# Altium PCB PMR_for_R124_v2.PcbDoc (part 3 of 3) (continued)
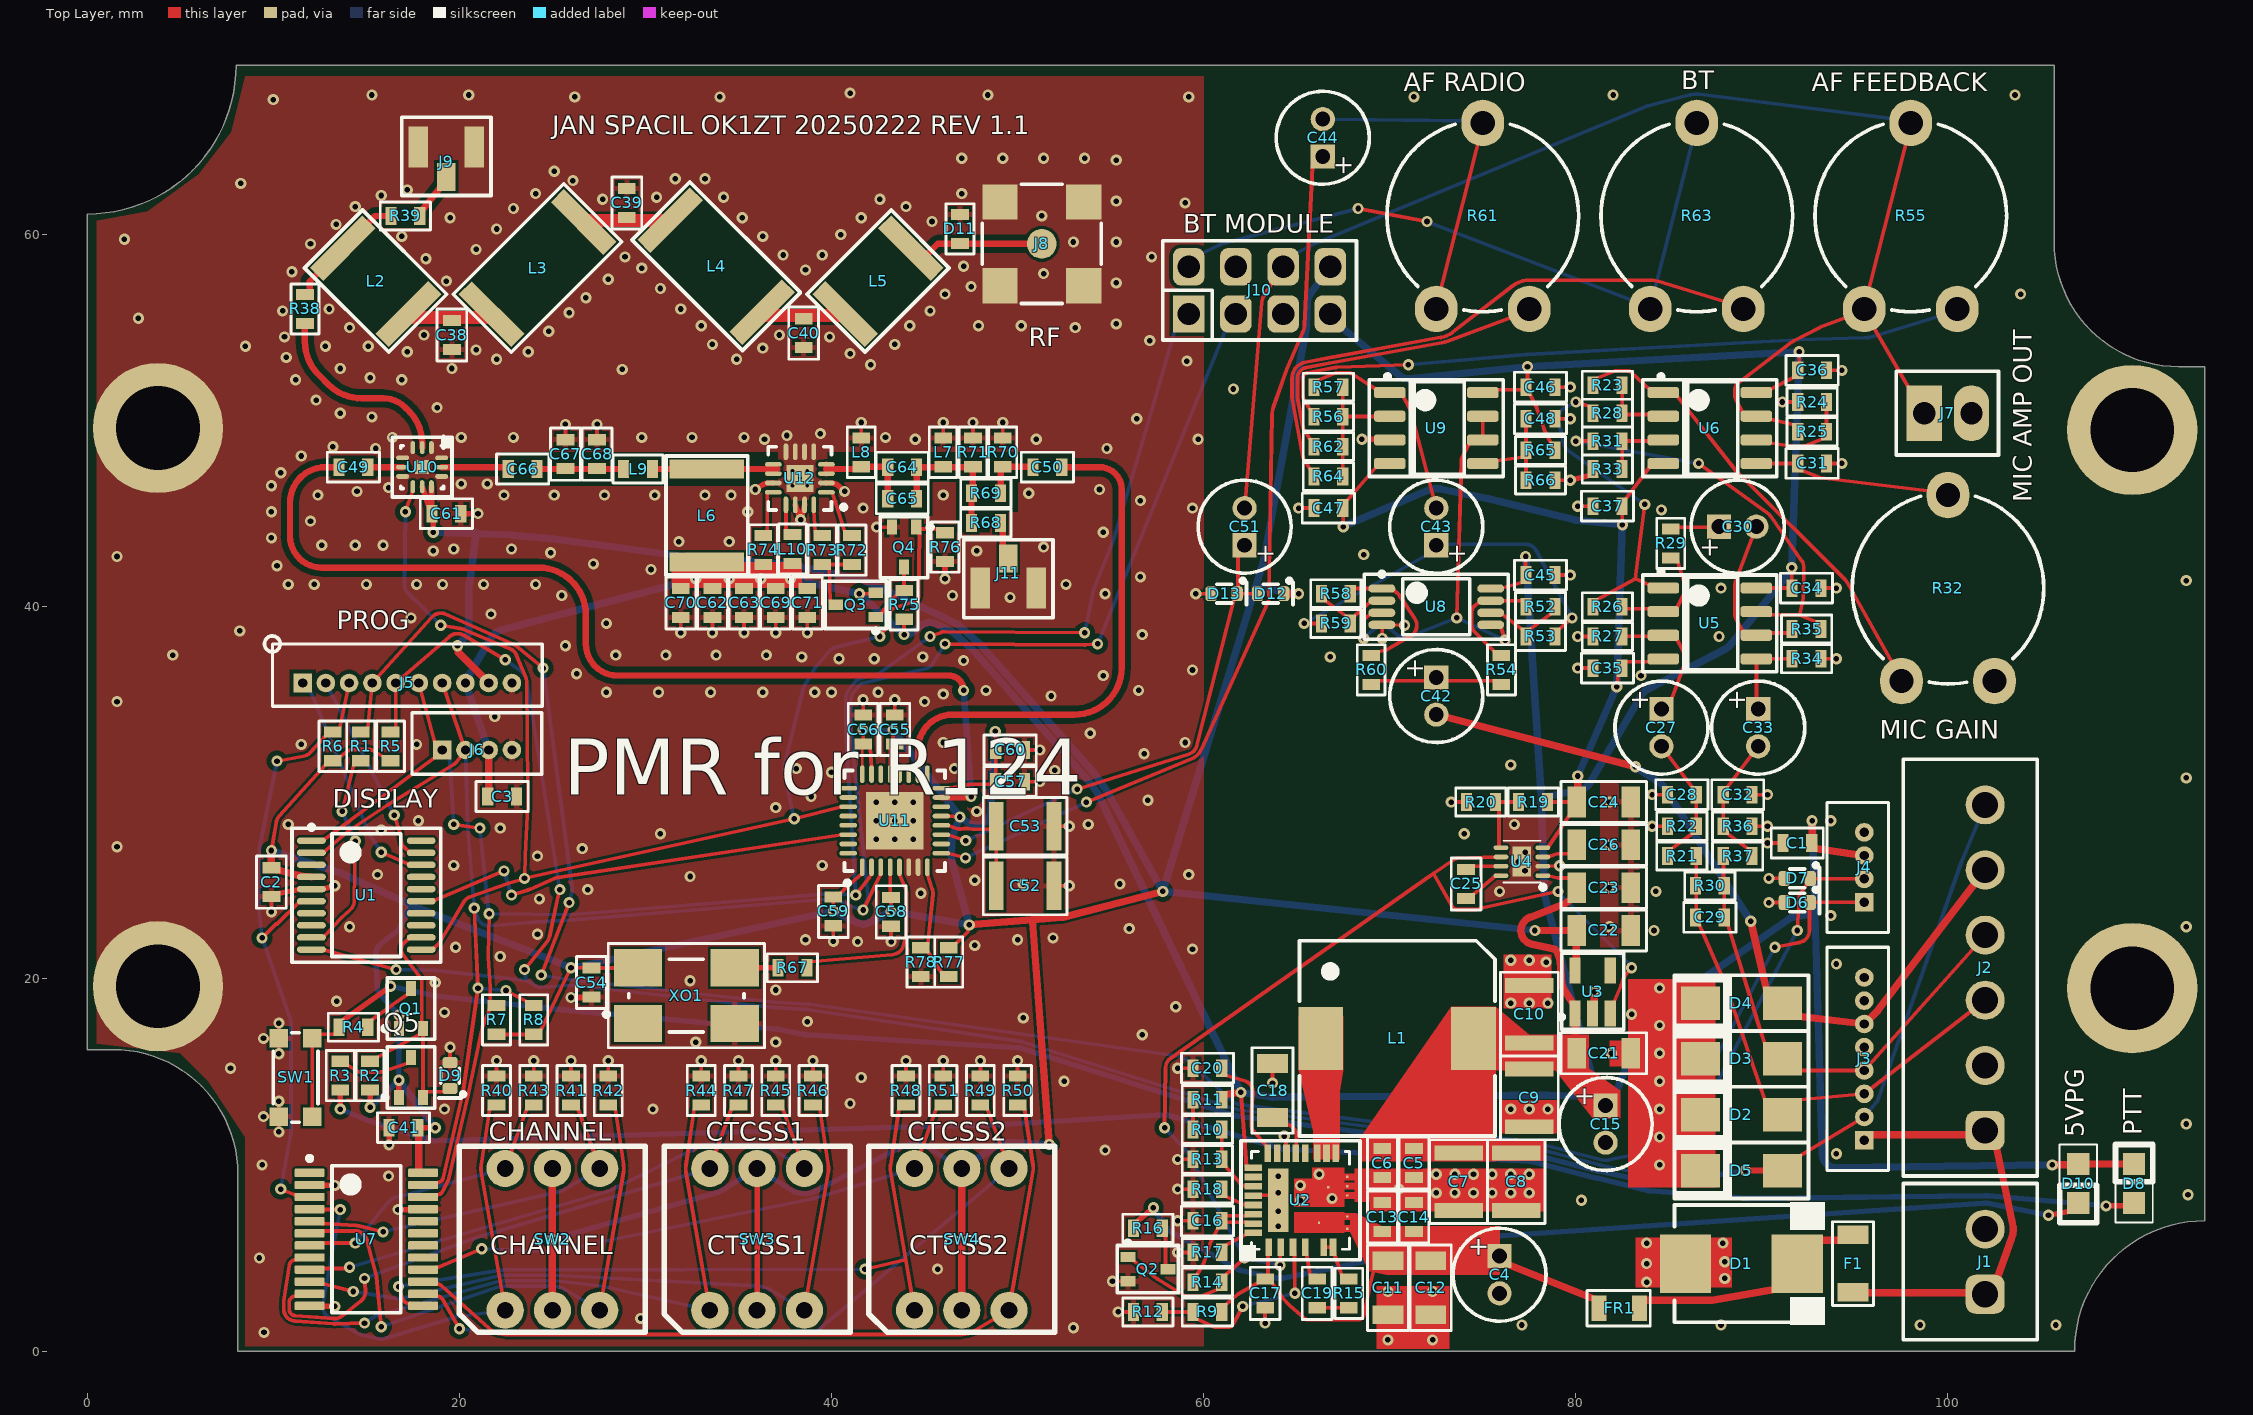
[diagram p0: Top Layer view]
## Nets (pads, with @x,y where several pads share a name; then routed paths per layer and width w, separated by ;. In a path a pad name is that pad's centre, name@x,y a point inside that pad or via, vN(x,y) a via of type N, cw(c..) or ccw(c..) an arc to the next point about the centre after c; other vN are vias at no path point) (continued)
NetQ5_3: Q5.3 R3.2 | length 4.2
  Top Layer w0.2: R3.2@13.6,15.575 13.975,15.375 14.578,15.013 ccw(c14.681,15.184) 14.619,14.994 ; 14.62,14.994 14.634,14.989 ccw(c14.725,15.275) 14.725,14.975 15.675,14.975 ccw(c15.675,15.275) 15.77,14.99 17.225,15.475 Q5.3@17.4,15.775
NetR1_2: R1.2 U1.9 | length 10.8
  Top Layer w0.2: U1.9@12.05,22.225 12.65,22.225 12.974,22.528 ccw(c12.65,22.875) 13.003,22.558 13.613,23.237 cw(c14.1,22.8) 13.662,23.286 14.138,23.714 ccw(c13.7,24.2) 14.347,24.103 ccw(c13.7,24.2) 14.354,24.191 v1(14.4,27.4) ; v1(13.7,29) R1.2@14.325,31.525
  Bottom Layer w0.2: v1(13.7,29) v1(14.4,27.4)
NetR10_2: R10.2 R11.1 | length 1.6
  Top Layer w0.2: R10.2@59.425,11.9 R11.1@59.425,13.5
NetR23_1: R23.1 R28.2 U6.2 | length 3.8
  Top Layer w0.2: R28.2@82.475,50.4 82.675,50.334 84,50.334 U6.2@84.8,50.3 ; R23.1@82.475,51.9 82.494,51.525 82.494,50.775 R28.2@82.5,50.4
NetR24_2: R24.2 R25.1 U6.6 | length 5.9
  Top Layer w0.2: U6.6@89.7,48.965 90.4,48.815 91.578,48.629 ccw(c91.625,48.925) 91.625,48.625 92.225,48.625 ccw(c92.225,48.925) 92.337,48.647 93.275,49.025 R25.1@93.475,49.4 ; R24.2@93.475,51 R25.1@93.475,49.4 ; R25.1@93.675,49.5 R25.1@93.475,49.4
NetR31_2: R31.2 R33.2 U6.3 | length 3.8
  Top Layer w0.2: R31.2@82.475,48.9 82.493,48.525 82.493,47.775 R33.2@82.5,47.3 ; R31.2@82.5,48.9 82.675,48.905 84,48.905 U6.3@84.7,48.965
NetR38_1: R38.1 U10.2 | length 10.6
  Top Layer w0.342: R38.1@11.7,55.225 11.7,54.252 ccw(c14.24,54.252) 12.444,52.456 12.956,51.944 ccw(c14.752,53.74) 14.752,51.2 15.9,51.2 cw(c15.9,49.51) 17.095,50.705 17.3,50.5 cw(c15.61,48.81) 18,48.81 U10.2@18,48.55
NetR52_1: R52.1 R53.2 U8.6 | length 4.7
  Top Layer w0.2: U8.6@75.425,39.675 75.925,39.675 76.235,39.449 cw(c75.925,39.025) 76.242,39.444 77.125,38.775 R53.2@77.325,38.4 77.525,38.775 78.675,39.625 R52.1@78.875,40
NetR52_2: R52.2 R54.1 U8.7 | length 6.5
  Top Layer w0.2: R54.1@76,37.375 75.625,37.575 74.552,38.655 cw(c74.925,39.025) 74.4,39.025 74.4,39.675 cw(c74.925,39.675) 74.615,40.099 74.925,40.325 U8.7@75.425,40.325 77.125,40.325 R52.2@77.325,40
NetR55_3: R55.3 R56.1 | length 38
  Top Layer w0.2: R56.1@65.925,50.2 65.725,50.575 65.368,51.171 cw(c65.625,51.325) 65.325,51.325 65.325,52.275 cw(c65.625,52.275) 65.569,52.57 67.065,52.854 cw(c67.175,52.275) 67.154,52.864 v1(71,53)
  Bottom Layer w0.2: v1(71,53) 77.343,53.552 cw(c77.4,52.9) 77.364,53.553 91.964,54.353 cw(c92,53.7) 91.982,54.354 95.539,54.451 ccw(c95.5,55.9) 95.92,54.512 100.5,55.9 R55.3@100.5,56
NetR58_1: R58.1 R59.2 U8.2 | length 4.5
  Top Layer w0.2: R58.1@66.325,40.7 66.525,40.325 67.675,39.475 R59.2@67.875,39.1 68.075,39.475 68.722,40.063 cw(c69.075,39.675) 68.765,40.099 69.075,40.325 U8.2@69.575,40.325
NetR58_2: R58.2 R60.1 U8.1 | length 7.9
  Top Layer w0.2: R58.2@67.875,40.7 68.075,40.975 U8.1@69.575,40.975 70.075,40.975 70.385,40.749 cw(c70.075,40.325) 70.512,40.615 71.345,39.362 cw(c70.8,39) 71.13,38.435 69.93,37.735 cw(c69.6,38.3) 69.75,37.663 69.375,37.575 R60.1@69,37.375
NetR61_3: R61.3 R62.1 | length 17.2
  Top Layer w0.2: R62.1@65.925,48.6 65.725,48.975 65.368,49.571 cw(c65.625,49.725) 65.33,49.671 65.046,51.219 cw(c65.625,51.325) 65.036,51.325 65.036,52.275 cw(c65.625,52.275) 65.515,52.854 67.011,53.137 cw(c67.175,52.275) 67.018,53.139 72.81,54.189 ccw(c72.5,55.9) 73.105,54.27 77.5,55.9 R61.3@77.5,56
NetR63_3: R63.3 R64.1 | length 31.7
  Top Layer w0.2: R64.1@65.925,47 65.725,47.375 65.368,47.971 cw(c65.625,48.125) 65.33,48.071 64.762,51.166 cw(c65.625,51.325) 64.747,51.325 64.747,52.275 cw(c65.625,52.275) 65.461,53.137 66.958,53.421 cw(c67.175,52.275) 66.967,53.423 72.758,54.473 ccw(c72.5,55.9) 73.387,54.753 76.613,57.247 cw(c77.5,56.1) 77.5,57.55 84,57.55 cw(c84,56.1) 84.42,57.488 89,56.1 R63.3@89,56
NetR67_1: R67.1 XO1.3 | length 2.3
  Top Layer w0.3: XO1.3@34.8,20.6 36.975,20.6 R67.1@37.125,20.6
NetR74_2: R74.2 U12.12 | length 2.7
  Top Layer w0.2: R74.2@36.332,43.827 36.55,44.027 36.55,46.15 U12.12@36.875,46.15
NOT_USED_0: R50.2 SW4.3 U7.15 | length 44.2
  Top Layer w0.2: U7.15@18.05,3.725 18.75,3.6 18.801,3.6 cw(c18.801,3.251) 19.034,3.511 21.593,1.221 ccw(c22.46,2.19) 22.46,0.89 47,0.89 ccw(c47,2.19) 47.665,1.073 SW4.3@49.54,2.19 50.821,9.588 ccw(c49.54,9.81) 50.826,10.002 50.375,13.025 R50.2@50,13.225
NOT_USED_1: R51.2 SW4.6 U7.16 | length 31
  Top Layer w0.2: U7.16@18.05,4.375 18.75,4.5 18.801,4.5 ccw(c18.801,4.849) 18.938,4.528 v1(21.2,5.5) ; SW4.6@44.46,9.81 45.625,13.025 R51.2@46,13.225
  Bottom Layer w0.2: v1(21.2,5.5) 24.973,5.347 ccw(c25,6) 25.13,5.359 38.877,8.155 ccw(c38.54,9.81) 39.022,8.191 SW4.6@44.46,9.81
NRST: J5.3 R6.1 U1.6 U7.3 | length 34.9
  Top Layer w0.2: v1(9.4,22.2) 10.146,22.946 10.199,22.946 11.428,24.175 U1.6@12.05,24.175 ; v1(10.2,31.7) 11.617,31.956 ccw(c11.5,32.6) 11.981,32.157 12.825,33.075 13.2,33.2 13.575,33.475 J5.3@14.075,35.9 ; v1(10.4,8.7) 11.067,8.426 ccw(c11.2,8.749) 11.2,8.4 11.25,8.4 U7.3@11.95,8.275
  Bottom Layer w0.2: v1(10.2,31.7) 9.259,27.029 ccw(c9.9,26.9) 9.246,26.9 9.246,23.6 ccw(c9.9,23.6) 9.25,23.527 v1(9.4,22.2) 10.918,17.84 cw(c10.3,17.625) 10.954,17.625 10.954,15.975 10.954,11.775 cw(c10.3,11.775) 10.943,11.657 v1(10.4,8.7)
"PA BIAS ON": Q4.1 R76.2 U1.11 U10.7 U11.27 | length 71.1
  Top Layer w0.2: v1(17.1,45.1) 17.5,46.225 U10.7@17.5,46.45 ; U1.11@17.95,21.575 18.55,21.575 18.874,21.878 ccw(c18.55,22.225) 18.958,21.982 20.238,24.134 cw(c20.8,23.8) 20.584,24.417 22.584,25.117 cw(c22.8,24.5) 22.623,25.129 23.418,25.354 ccw(c23.363,25.546) v1(23.5,25.4) ; v1(19,39) 20.05,38.831 cw(c19.9,37.9) 20.262,38.771 22.713,37.752 cw(c22.462,37.148) 23.065,37.4 23.563,36.208 cw(c22.825,35.9) 23.625,35.907 23.675,30.278 cw(c23.375,30.275) 23.675,30.275 23.675,29.325 cw(c23.375,29.325) 23.675,29.311 23.547,26.631 ccw(c24.2,26.6) 23.546,26.624 23.506,25.522 cw(c23.306,25.53) 23.506,25.52 v1(23.5,25.4) ; U11.27@40.9,29.25 40.55,29.25 v1(38,28.6) v1(23.5,25.4) ; v1(42.6,38.4) 43.021,39.003 ccw(c42.775,39.175) 43.073,39.144 43.127,39.656 cw(c43.425,39.625) 43.33,39.91 44.47,40.29 ccw(c44.375,40.575) 44.675,40.571 44.725,43.975 Q4.1@44.55,44.275 44.725,44.175 45.725,44.175 R76.2@46.1,43.975
  Bottom Layer w0.2: v1(17.1,45.1) 17.046,41.209 ccw(c17.7,41.2) 17.241,40.734 v1(19,39) ; v1(38,28.6) 37.701,29.897 cw(c37.896,29.941) 37.699,29.903 37.457,31.178 cw(c38.1,31.3) 37.465,31.455 38.465,35.555 cw(c39.1,35.4) 38.537,35.732 39.113,36.71 cw(c39.285,36.608) 39.134,36.74 39.906,37.629 cw(c40.4,37.2) 40.248,37.836 v1(42.6,38.4)
"PA EN1": R72.2 U12.1 | length 3
  Top Layer w0.2: U12.1@39.725,46.15 40.048,46.15 ccw(c40.7,46.2) 40.087,45.971 40.208,45.649 cw(c40.02,45.579) 40.211,45.641 40.211,45.64 40.722,44.021 R72.2@41.097,43.821
"PA EN2": R73.2 U12.16 | length 1.9
  Top Layer w0.2: U12.16@39.05,45.475 39.05,45.15 39.126,44.019 R73.2@39.501,43.819
"PA IN": C64.2 C65.2 L7.2 R68.1 R69.2 R71.2 | length 7.8
  Top Layer w0.342: C65.2@44.575,45.8 C64.2@44.575,47.5 44.704,47.501 47.296,47.501 R71.2@47.6,47.525 47.593,47.396 47.593,46.404 R69.2@47.525,46.1 R68.1@47.525,44.5
"PA MATCH IN": C64.1 C65.1 L8.2 U12.3 U12.4 | length 5.6
  Top Layer w0.3: U12.3@39.725,47.15 U12.4@39.725,47.65
  Top Layer w0.342: 39.7,47.4 41.296,47.4 L8.2@41.6,47.525 41.904,47.52 42.896,47.52 C64.1@43.025,47.5 C65.1@43.025,45.8
"PA MATCH OUT": C66.1 C67.2 C68.2 L9.2 | length 4.7
  Top Layer w0.342: C66.1@24.175,47.4 L9.2@28.825,47.4
PG_5V: Q2.1 R14.1 U2.2 U3.3 U4.6 | length 60.3
  Top Layer w0.2: Q2.1@55.925,5.05 56.225,4.875 57.491,3.888 ccw(c57.675,4.125) 57.517,3.87 58.967,2.97 ccw(c59.125,3.225) 59.125,2.925 59.725,2.925 ccw(c59.725,3.225) 59.837,2.947 60.775,3.325 R14.1@60.975,3.7 61.175,4.075 v1(62.2,5) ; v1(57.9,12) 57.946,15.209 cw(c58.6,15.2) 58.224,15.735 72.172,25.542 cw(c72.287,25.378) 72.174,25.543 72.354,25.667 ; v1(64.109,4.612) 64.109,5.205 U2.2@64.15,5.575 ; U4.6@75.975,26.55 75.71,26.55 73.614,26.475 ccw(c73.625,26.175) 73.455,26.422 72.354,25.667 ; v1(79.05,24.7) 74.639,23.732 cw(c74.575,24.025) 74.575,23.725 73.625,23.725 cw(c73.625,24.025) 73.364,23.878 72.354,25.667 ; U3.3@81.85,18.15 82.05,18.75 82.426,19.632 ccw(c82.15,19.75) 82.432,19.648 82.586,20.077 cw(c82.8,20) 82.625,20.144 v1(83,20.6)
  Bottom Layer w0.2: v1(57.9,12) 59.077,10.748 cw(c58.6,10.3) 59.176,10.61 v1(62.2,5) v1(64.109,4.612) ; v1(79.05,24.7) 79.05,24.625 83,20.675 v1(83,20.6)
PHASE: R15.1 U2.5 U2.6 | length 2.5
  Top Layer w0.2: U2.5@66.451,5.575 U2.6@66.951,5.575 67.029,5.205 67.425,4.075 R15.1@67.8,3.875
PS_EN: R9.1 R12.2 U2.3 | length 10.6
  Top Layer w0.2: R12.2@57.775,2.1 57.975,2.1 R9.1@59.425,2.1 59.625,1.725 60.528,1.307 ccw(c60.675,1.625) 60.675,1.275 61.275,1.275 ccw(c61.275,1.625) 61.582,1.456 v1(62.1,2.4) ; U2.3@64.8,5.575 64.878,5.205 v1(64.9,3.1)
  Bottom Layer w0.2: v1(62.1,2.4) v1(64.9,3.1)
PTT: D9.1 Q1.2 Q5.2 R2.2 U1.12 | length 14.8
  Top Layer w0.2: R2.2@15.2,15.575 15.575,15.775 17.875,17.025 Q1.2@18.05,17.325 ; U1.12@17.95,22.225 17.35,22.225 17.026,21.922 ccw(c17.35,21.575) 16.954,21.313 ccw(c17.35,21.575) 16.973,21.286 17.913,20.057 cw(c17.675,19.875) 17.975,19.875 17.975,19.075 17.975,17.625 Q1.2@18.05,17.325 ; D9.1@19.5,14.1 19.25,13.95 18.225,13.925 Q5.2@18.05,13.625 Q1.2@18.05,17.325
"PTT OUT": D5.2 J2.6 J3.2 R4.1 SW1.2 | length 108.7
  Top Layer w0.2: SW1.2@12.1,12.6 SW1.2@12.1,16.8 12.5,17.025 13.325,17.025 R4.1@13.525,17.4 ; D5.2@91.1,9.7 92.05,10.5 J3.2@95.5,12.575
  Top Layer w0.3: R4.1@13.525,17.4 13.675,17.725 v1(16.3,19.6) ; v1(89.1,9.7) D5.2@91.1,9.7
  Bottom Layer w0.2: J3.2@95.5,12.575 96.115,13.313 ccw(c95.5,13.825) 96.255,13.56 100.726,26.297 cw(c102,25.85) 100.754,26.371 J2.6@102,29.35
  Bottom Layer w0.3: v1(16.3,19.6) 18.551,19.112 ccw(c18.7,19.8) 18.623,19.1 20.625,18.881 ; 20.626,18.881 cw(c20.592,18.583) 20.713,18.857 ccw(c21,19.5) 21.141,18.81 cw(c21.2,18.516) 21.231,18.814 ; 21.232,18.814 22.296,18.698 22.298,18.697 cw(c22.263,18.4) 22.33,18.692 22.345,18.688 ccw(c22.504,19.374) 22.522,18.67 cw(c22.529,18.37) 22.529,18.67 cw(c22.529,18.37) 22.561,18.669 25.923,18.3 ccw(c26,19) 25.937,18.299 37.064,17.301 cw(c37,16.6) 37.136,17.291 38.564,17.009 ccw(c38.7,17.7) 38.657,16.997 50.043,16.303 cw(c50,15.6) 50.212,16.271 61.615,12.677 ccw(c62,13.9) 61.836,12.629 77.64,10.584 cw(c77.5,9.5) 77.776,10.557 81.207,9.672 ccw(c81.6,11.2) 81.279,9.655 84.298,9.028 ccw(c84.5,10) 84.65,9.019 v1(89.1,9.7)
"PUMP C+": C25.2 U4.8 | length 2.3
  Top Layer w0.2: C25.2@74.1,24.325 74.475,24.525 75.71,25.55 U4.8@75.975,25.55
"PUMP C-": C25.1 U4.7 | length 1.7
  Top Layer w0.2: C25.1@74.356,25.855 74.475,26.05 U4.7@75.975,26.05
"PUMP FB": R19.1 R20.2 U4.5 | length 3.8
  Top Layer w0.2: U4.5@75.975,27.05 75.875,27.05 75.875,29.125 R20.2@75.675,29.5 R19.1@76.925,29.5
"RF SIGNAL OUT": D11.2 J8.1 L5.2 | length 7.4
  Top Layer w0.342: L5.2@44.268,59.268 44.635,58.9 45.1,58.9 45.7,59.5 J8.1@51.3,59.5
RF+5V: L6.1 L9.1 U12.9 U12.10 | length 7.2
  Top Layer w0.2: U12.10@36.875,47.15 U12.9@36.875,47.65
  Top Layer w0.342: L9.1@30.375,47.4 L6.1@33.3,47.4 35.129,47.4 36.875,47.4 37.1,47.4
SCL: J5.6 J6.1 J10.1 R7.2 U1.1 U7.22 U11.2 | length 104
  Top Layer w0.2: U1.1@12.05,27.425 12.65,27.425 14.085,28.472 ccw(c13.7,29) 14.091,28.476 18.675,31.9 19.067,32.147 18.675,32.7 J5.6@17.825,35.9 ; U7.22@18.05,8.275 18.75,8.4 18.801,8.4 ccw(c18.801,8.749) 19.114,8.594 19.372,9.116 ccw(c18.801,9.399) 19.422,9.256 20.469,13.782 ccw(c19.75,13.95) 20.473,13.797 21.231,17.387 cw(c21.525,17.325) 21.247,17.437 21.625,18.375 R7.2@21.886,18.514 ; v1(19.7,28.3) v1(21.1,28.1) ; v1(21.6,23.5) 21.546,21.215 ccw(c22.2,21.2) 21.547,21.157 21.653,19.543 cw(c21,19.5) 21.654,19.5 21.654,18.775 R7.2@21.886,18.514 ; R7.2@22,18.575 R7.2@21.886,18.514 ; v1(41.3,24.5) 41.987,25.39 ccw(c41.65,25.65) 42.011,25.426 42.15,25.65 U11.2@42.15,26 ; v1(45.3,38.4) 45.872,38.613 cw(c46.1,38) 46.105,38.654 v1(53.6,38.6)
  Bottom Layer w0.2: J6.1@19.075,32.3 19.475,31.9 v1(19.7,28.3) ; v1(21.1,28.1) 21.564,23.675 ccw(c21.762,23.697) 21.567,23.656 v1(21.6,23.5) 21.76,23.497 25.892,23.446 ccw(c25.9,24.1) 25.953,23.448 40.024,24.59 cw(c40.1,23.65) 40.175,24.59 v1(41.3,24.5) 41.294,24.723 ccw(c41.094,24.717) 41.293,24.73 40.759,33.316 ; 40.759,33.316 cw(c41.7,33.375) 40.772,33.54 ; 40.772,33.542 ccw(c40.575,33.575) 40.775,33.578 40.757,34.988 cw(c41.7,35) 40.987,35.616 41.353,36.04 cw(c41.571,35.851) 41.455,36.116 cw(c41.571,35.851) 41.456,36.116 41.498,36.135 cw(c41.693,35.686) 41.583,36.162 ; 41.583,36.162 42.441,36.36 ccw(c42.397,36.555) 42.514,36.393 v1(45.3,38.4) ; v1(53.6,38.6) 54.059,40.832 cw(c54.7,40.7) 54.092,40.941 55.208,43.759 ccw(c54.6,44) 55.227,43.815 57.027,49.915 ccw(c56.4,50.1) 57.029,49.919 58.44,54.83 J10.1@59.19,55.73
SDA: J5.7 J6.2 J10.3 R8.2 U1.2 U7.23 U11.3 | length 110.8
  Top Layer w0.2: U1.2@12.05,26.775 12.65,26.775 13.977,27.899 cw(c14.4,27.4) 14.037,27.944 16.137,29.344 cw(c16.5,28.8) 16.159,29.358 19.732,31.544 ccw(c19.575,31.8) 19.815,31.62 J6.2@20.325,32.3 J5.7@19.075,35.9 ; U7.23@18.05,8.925 18.75,9.05 18.801,9.05 ccw(c18.801,9.399) 19.141,9.321 20.188,13.847 ccw(c19.75,13.95) 20.195,13.886 v1(21,19.5) v1(20.8,23.8) ; v1(22.504,19.374) 23.625,18.775 R8.2@23.8,18.5 ; v1(41.7,23.7) 42.65,25.65 U11.3@42.65,26 ; v1(46.1,38) 53.595,37.946 ccw(c53.6,38.6) 53.652,37.948 v1(54.3,38)
  Bottom Layer w0.2: J6.2@20.325,32.3 20.446,28.081 ccw(c21.1,28.1) 20.448,28.046 v1(20.8,23.8) 20.984,23.282 ccw(c21.6,23.5) 21.653,22.848 24.147,23.052 cw(c24.2,22.4) 24.161,23.053 25.956,23.159 ccw(c25.9,24.1) 25.975,23.16 40.047,24.302 cw(c40.1,23.65) 40.402,24.23 40.998,23.92 ccw(c41.3,24.5) 41.115,23.873 v1(41.7,23.7) 41.913,24.272 ccw(c41.3,24.5) 41.951,24.567 41.049,33.308 cw(c41.7,33.375) 41.056,33.491 ccw(c40.772,33.541) 41.057,33.493 ccw(c40.575,33.575) 41.064,33.583 41.046,34.99 cw(c41.7,35) 41.206,35.428 41.541,35.817 cw(c41.693,35.686) 41.648,35.881 45.047,36.663 ccw(c44.9,37.3) 45.457,36.957 v1(46.1,38) ; v1(21,19.5) v1(22.504,19.374) ; v1(54.3,38) 55.305,40.452 ; 55.306,40.453 61.305,55.155 J10.3@61.73,55.73
SENB: R77.2 R78.1 U11.8 | length 6.9
  Top Layer w0.2: R78.1@44.7,21.7 45.175,21.875 45.451,24.533 ccw(c44.8,24.6) 45.423,24.8 45.15,25.65 U11.8@45.15,26 ; R78.1@44.8,21.5 45.175,21.475 45.925,20.325 R77.2@46.3,20.125
SS: C20.2 U2.19 | length 5.9
  Top Layer w0.2: C20.2@60.975,15.2 61.175,14.825 62.185,14.527 cw(c62,13.9) 62.651,13.836 62.576,13.079 ccw(c62.875,13.05) 62.575,13.05 62.575,12.05 ccw(c62.875,12.05) 62.645,11.857 63.371,10.995 U2.19@63.449,10.625
"SUM NODE": R56.2 R57.1 R62.2 R64.2 U9.2 | length 7.3
  Top Layer w0.2: R64.2@67.475,47 R62.2@67.475,48.6 R56.2@67.475,50.2 ; R57.1@67.475,51.8 R56.2@67.475,50.2 ; U9.2@70,50.235 69.3,50.225 67.675,50.225 R56.2@67.475,50.2
sw5v: L1.1 U2.12 U2.13 U2.14
SWCLK: J5.2 U1.19 | length 10.9
  Top Layer w0.2: v1(16.5,28.8) 16.822,27.801 cw(c16.2,27.6) 16.851,27.66 16.877,27.381 ccw(c17.35,27.425) 17.026,27.078 17.35,26.775 U1.19@17.95,26.775
  Bottom Layer w0.2: J5.2@12.825,35.9 v1(16.5,28.8)
SWDIO: J5.1 U1.18 | length 12.3
  Top Layer w0.2: v1(15.8,26.8) 17.35,26.125 U1.18@17.95,26.125
  Bottom Layer w0.2: J5.1@11.7,35.9 11.975,35.5 15.196,27.749 ccw(c15.8,28) 15.252,27.644 v1(15.8,26.8)
UART_RX: D7.1 J4.2 J5.5 R5.1 U1.10 | length 124
  Top Layer w0.2: U1.10@11.45,21.575 12.65,21.575 v1(16.6,20.5) ; R5.1@16.3,33.275 16.575,33.475 J5.5@16.575,35.9 19.473,38.396 cw(c19.9,37.9) 20.232,38.463 v1(22.462,37.148) ; v1(23.5,20.5) 24.708,21.988 ccw(c24.2,22.4) 24.84,22.264 25.26,24.236 cw(c25.9,24.1) 25.265,24.258 v1(25.4,24.8) ; v1(91.9,22.6) 92.001,24.375 cw(c92.45,24.35) 92.078,24.603 92.45,25.15 D7.1@92.6,25.4 92.75,25.375 J4.2@95.5,25.375
  Bottom Layer w0.2: v1(16.6,20.5) 18.714,20.454 cw(c18.7,19.8) 18.773,20.45 23.592,19.917 ; v1(22.462,37.148) 23.293,36.549 cw(c22.825,35.9) 23.615,36.026 v1(25.4,24.8) ; v1(23.5,20.5) 23.591,19.918 ; 32.297,18.963 26.074,19.65 ccw(c26,19) 25.955,19.652 24.445,19.548 cw(c24.4,20.2) 24.047,19.65 23.677,19.887 23.675,19.888 ccw(c23.57,19.718) 23.592,19.917 ; 32.298,18.963 36.898,18.463 ccw(c37,19.4) 36.944,18.459 38.737,18.353 cw(c38.7,17.7) 38.798,18.347 50.156,16.631 cw(c50,15.6) 50.313,16.595 61.716,13.001 ccw(c62,13.9) 61.88,12.965 77.682,10.92 cw(c77.5,9.5) 77.859,10.886 81.29,10 ccw(c81.6,11.2) 81.348,9.987 84.367,9.36 ccw(c84.5,10) 85.078,9.694 91.278,21.394 ccw(c90.7,21.7) 91.281,21.4 v1(91.9,22.6)
UART_TX: D6.1 J4.1 J5.4 R1.1 | length 112.4
  Top Layer w0.2: R1.1@14.6,33.2 15.075,33.475 J5.4@15.325,35.9 15.363,35.947 cw(c15.518,35.82) 15.369,35.954 18.515,39.438 cw(c19,39) 19.265,39.598 22.844,38.01 cw(c22.462,37.148) 23.059,37.878 v1(24.5,36.7) ; v1(24.4,20.2) v1(25.9,24.1) ; v1(90.7,21.7) 92.025,21.958 ccw(c91.9,22.6) 92.554,22.601 92.554,23.85 D6.1@92.6,24.1 92.75,24.122 95.1,24.122 J4.1@95.5,24.125
  Bottom Layer w0.2: v1(24.4,20.2) 25.894,19.955 ccw(c26,20.6) 25.96,19.947 26.059,19.941 cw(c26,19) 26.103,19.937 32.328,19.25 ; v1(24.5,36.7) 26.048,24.885 cw(c25.4,24.8) 26.035,24.642 v1(25.9,24.1) ; 32.329,19.25 36.929,18.75 ccw(c37,19.4) 36.961,18.747 38.756,18.641 cw(c38.7,17.7) 38.831,18.634 58.691,15.848 cw(c58.6,15.2) 59.037,15.686 61.563,13.414 ccw(c62,13.9) 61.919,13.251 77.719,11.207 cw(c77.5,9.5) 77.93,11.166 81.363,10.28 ccw(c81.6,11.2) 81.793,10.27 84.633,10.86 ccw(c84.5,11.5) 85.077,11.191 v1(90.7,21.7)
VDD: C16.2 R14.2 U2.25 U2.26 | length 7.2
  Top Layer w0.2: R14.2@59.425,3.7 59.625,4.075 59.982,4.671 ccw(c59.725,4.825) 60.01,4.73 60.39,5.87 cw(c60.675,5.775) 60.408,5.912 60.775,6.625 C16.2@60.975,7 ; U2.26@62.675,6.849 62.305,6.927 61.175,6.927 C16.2@60.975,7 ; U2.25@62.675,7.349 62.305,7.272 61.175,7.272 C16.2@60.975,7
VDRV: C18.1 U2.16 | length 2.7
  Top Layer w0.2: C18.1@63.7,12.55 64.425,12.198 cw(c64.333,11.55) 64.987,11.528 64.973,11.105 ccw(c65.272,11.095) 64.972,11.095 64.972,10.995 U2.16@64.95,10.625
XTAL: R67.2 U11.5 | length 9.9
  Top Layer w0.2: R67.2@38.675,20.6 38.825,20.925 43.259,21.298 ccw(c43.2,22) 43.888,21.852 44.017,22.451 ccw(c43.675,22.525) 44.025,22.525 44.025,24.675 ccw(c43.675,24.675) 43.996,24.815 43.715,25.46 cw(c44.15,25.65) 43.676,25.618 U11.5@43.65,26
pads on no net: J3.5 J3.8 U1.3 U1.7 U1.8 U1.13 U1.14 U1.16 U1.17 U1.20 U2.15 U2.18 U2.21 U3.4 U7.1 U7.17 U7.18 U7.19 U7.20 U11.10 U11.14 U11.17 U11.19 U11.20 U11.22 U11.25 U11.26 U11.28 U11.29 U11.31 U11.32 XO1.1

## Polygon pours and split planes (outlines as drawn)
GND on Bottom Layer "GND_L04_P009" (solid, pour order 9): 8.25,0.25 8.25,10.75 7.5,13 6.25,14.5 4.5,15.75 2.5,16.5 0.25,16.5 0.25,60.75 3.25,61.25 6,63 7.75,65.5 8.25,68.75 105.5,68.75 105.5,59.25 105.75,56.5 106.75,55 108.5,53.5 110,52.75 113.5,52.75 113.5,7.25 110.75,6.75 108.75,5.5 107.5,4.25 106.75,2.25 106.5,0.25
GND on Bottom Layer "GND_L04_P004" (solid, pour order 4): 43.303,33.375 47.6,28.3 48.4,28.5 48.8,33.3 49.4,35.7 46.604,38.56
GND on Top Layer "GND_L01_P008" (solid, pour order 8): 79.05,24.7 75.1,23.8 75.1,28.8 79.1,28.8
GND on Top Layer "GND_L01_P006" (solid, pour order 6): 81.3,21.7 81.3,30.5 83.4,30.5 83.4,21.7
GND on Top Layer "GND_L01_P005" (solid, remove dead copper, pour order 5): 60,0.25 60,19 60,31.1 60,68.5 8.5,68.5 7.75,65.5 6,63.25 3.25,61.25 0.5,60.75 0.5,16.5 5,16 6.5,14.5 8.5,11.5 8.5,0.25
GND on Layer 2 "GND_L03_P010" (solid, pour order 10): 8.25,0.25 8.25,10.75 7.5,13 6.25,14.5 4.5,15.75 2.5,16.5 0.25,16.5 0.25,60.75 3.25,61.25 6,63 7.75,65.5 8.25,68.75 105.5,68.75 105.5,59.25 105.75,56.5 106.75,55 108.5,53.5 110,52.75 113.5,52.75 113.5,7.25 110.75,6.75 108.75,5.5 107.5,4.25 106.75,2.25 106.5,0.25
GND on Layer 1 "GND_L02_P011" (solid, pour order 11): 8.25,0.25 8.25,10.75 7.5,13 6.25,14.5 4.5,15.75 2.5,16.5 0.25,16.5 0.25,60.75 3.25,61.25 6,63 7.75,65.5 8.25,68.75 105.5,68.75 105.5,59.25 105.75,56.5 106.75,55 108.5,53.5 110,52.75 113.5,52.75 113.5,7.25 110.75,6.75 108.75,5.5 107.5,4.25 106.75,2.25 106.5,0.25

## Other copper
Top Layer:
  rectangle net GND: 83.2,3.4 88.4,6.1
  rectangle net +5V: 31.4,41 38.4,42.4
  rectangle net FILT2: 17.375,55.2 21.832,55.9
  region net FILT3: 31.225,61.1 26.768,61.1 26.768,60.4 31.225,60.4
  rectangle net FILT4: 36.275,55.3 40.732,56
  rectangle net GND: 69.3,0.1 73.2,3.5
  rectangle net GND: 81.8,15.3 82.9,16.7
  rectangle net GND: 82.8,8.8 87.5,20
  rectangle net GND: 76.1,18.4 78.7,21.3
  rectangle net +5V: 68.4,10.2 78.4,11.4
  rectangle net GND: 76,11.7 79,13.5
  rectangle net GND: 68.1,8 69.2,9.8
  rectangle net GND: 68.9,7.5 78.3,9.8
  pour cut-out: 18.325,61.625 15.875,61.625 15.875,60.375 18.325,60.375
  pour cut-out: 12.325,54.775 12.325,57.225 11.075,57.225 11.075,54.775
  pour cut-out: 13.075,46.875 15.525,46.875 15.525,48.125 13.075,48.125
  pour cut-out: 38.785,56.793 41.793,53.785 46.248,58.207 43.207,61.248
  pour cut-out: 29.378,59.714 35.214,53.878 38.222,56.886 32.386,62.722
  pour cut-out: 19.778,56.786 25.614,62.622 28.622,59.614 22.786,53.778
  pour cut-out: 11.752,58.207 16.207,53.785 19.215,56.793 14.793,61.248
  pour cut-out: 46.7,46.9 46.7,44 48.5,44 48.648,45.102 50,45.1 50,46.9
  pour cut-out: 42.3,46.9 42.3,44.9 45.4,44.9 45.4,46.9
  pour cut-out: 39.8,48.3 53,48.3 53,46.7 40.56,46.71 39.802,46.715
  pour cut-out: 22.2,46.5 22.2,48.3 37.1,48.3 37.1,46.5
  region net sw5v: 65.1,18 65.1,15.1 65.9,11.8 65.9,10.3 67.3,10.3 67.3,14 67.5,15.1 67.5,18
  region net +5V: 73.3,18.5 68.4,11.4 68.4,10.2 71,10.2 75.7,10.2 75.7,15.1 78.9,15.1 80.9,12.5 82.4,12.5 82.4,14 80.7,15.2 80.7,17 77.5,17 75.7,18.5
  region net +POWER_RAIL: 75.9,4.1 75.9,6.7 69.6,6.7 68.195,7.407 67.871,7.407 67.871,6.401 68.9,4.3 69.8,4.1

## Silkscreen, mask and mechanical layers (free items; w line width, h text height)
Top Overlay:
  text "BT" at 85.667,67.8 h1
  text "AF RADIO" at 70.751,67.7 h1
  text "AF FEEDBACK" at 92.668,67.7 h1
  text "JAN SPACIL OK1ZT 20250222 REV 1.1" at 25,65.4 h1
  text "BT MODULE" at 58.9,60.1 h1
  text "RF" at 50.6,54 h1
  text "MIC AMP OUT" at 104.5,45.6 h1 r90
  text "PROG" at 13.4,38.8 h1
  text "MIC GAIN" at 96.335,32.9 h1
  text "PMR for R124" at 25.6,29.9 h3
  text "DISPLAY" at 13.2,29.2 h1
  text "PTT" at 110.4,11.6 h1 r90
  text "5VPG" at 107.3,11.5 h1 r90
  text "CHANNEL" at 21.568,11.3 h1
  text "CTCSS1" at 33.234,11.3 h1
  text "CTCSS2" at 44.068,11.3 h1
  text "CHANNEL" at 21.668,5.2 h1
  text "CTCSS1" at 33.334,5.2 h1
  text "CTCSS2" at 44.168,5.2 h1
Bottom Overlay:
  text "PTT" at 99.2,28.9 h1.5
  text "AF" at 99.2,25.4 h1.5
  text "MIC+" at 99.2,21.9 h1.5
  text "MIC-" at 99.2,18.4 h1.5
  text "GND" at 99.2,14.9 h1.5
  text "+26V" at 99.2,11.4 h1.5
  text "GND" at 98.9,6 h1.5
  text "+26V" at 98.9,2 h1.5
Board:
  the board outline again, w0.1
Notes:
  text "Box AN-1313-A" at 31.2,75.2 h1
  text "ACCEPT M3.5X6mm" at -3.2,44.2 h1 r90
  text "OR #6X1/4\"" at -1.2,44.2 h1 r90
  text "ACCEPT M3.5X6mm" at 115.8,43.2 h1 r90
  text "OR #6X1/4\"" at 117.8,43.2 h1 r90
  text "ACCEPT M3.5X6mm" at -3.2,17.2 h1 r90
  text "OR #6X1/4\"" at -1.2,17.2 h1 r90
  text "ACCEPT M3.5X6mm" at 115.8,15.2 h1 r90
  text "OR #6X1/4\"" at 117.8,15.2 h1 r90

## Text inside footprints (layer, text, board x,y; h text height)
C4: Top Overlay "+" at 75.2,5 h1 r90
C15: Top Overlay "+" at 80.9,13.1 h1 r90
C27: Top Overlay "+" at 83.9,34.4 h1 r90
C30: Top Overlay "+" at 87.8,43.6 h1 r180
C33: Top Overlay "+" at 89.1,34.4 h1 r90
C42: Top Overlay "+" at 71.8,36.1 h1 r90
C43: Top Overlay "+" at 73.2,43.4 h1 r270
C44: Top Overlay "+" at 67.1,64.3 h1 r270
C51: Top Overlay "+" at 62.9,43.4 h1 r270
U2: Top 3D Body "*" at 64.084,6.363 h1.27 r90